# Allegro board REF_WLC_TX15W_C1-MP A11 15W POWER TRANSMITTER REV04.brd (continued)
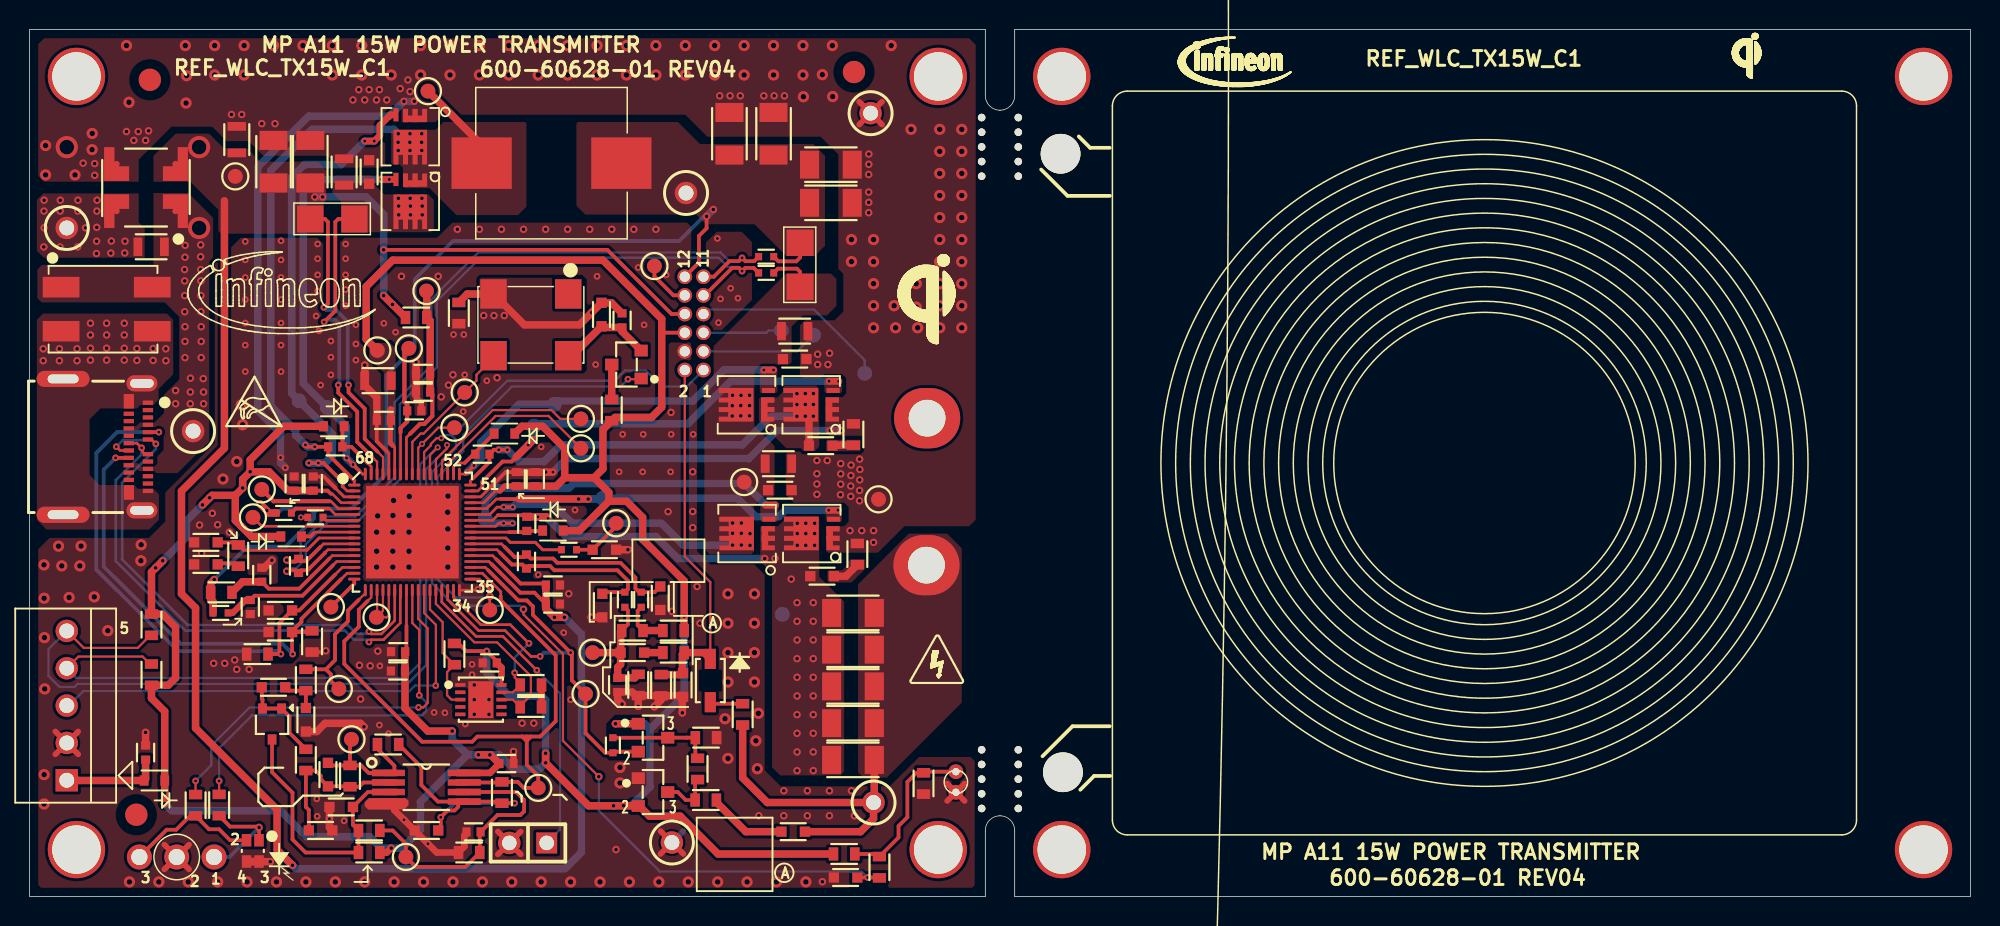
[diagram p0: board, top side]
## Routing (per net, layer and track width the routed paths; a pad name or vN(x,y) marks a point on that pad's centre or on a via; arc(x,y) is an arc through that point)
GND: length 157.7
  TOP w0.18: U3.64 24.44,30.16 24.3,30.3 ; 31.3,27.8 30.7,27.2 U3.49 ; U3.3 21.4,27.2 20.8,27.8 ; v3(30.5,20.9) 30.45,20.85 U3.34
  TOP w0.254: C48.1 23.62,30.98 24.3,30.3 ; R28.1 20.07,16.64 v1(20.15,16.72) ; 31.3,27.8 32.38,28.88 C42.2 ; v4(18.46,25.8) R39.2 ; C43.2 20.02,28.58 20.3,28.3
  TOP w0.28: 20.3,28.3 20.8,27.8
  TOP w0.381: 31.86,4.43 J1.2 ; J1.2 33.41,4.43 ; J1.2 33.41,2.87 ; J1.2 31.86,2.87 ; 42.91,2.9 GND.1 ; GND.1 42.91,4.46 ; GND.1 44.47,2.9 ; 9.18,3.53 LED2.2 ; LED2.2 10.86,1.85 ; LED2.2 10.86,3.53 ; LED2.2 9.18,1.85 ; 62.41,7.69 NT2.1 ; NT2.1 63.59,7.69 ; NT2.1 62.41,6.51 ; NT2.1 63.59,6.51 ; C49.1 26.65,33.61 26.29,33.97 C52.1 ; 1.76,9.68 2.54,10.46 ; 2.54,10.46 3.32,9.68 ; 2.54,10.46 3.32,11.23 ; 2.54,10.46 1.76,11.23 ; 56.42,52.52 GND1.1 ; GND1.1 57.98,52.52 ; GND1.1 56.42,54.08 ; GND1.1 57.98,54.08
  TOP w0.45: C2.2 29.72,4.3 29.58,4.16 29.58,3.4 R4.1 27.7,3 v3(27.1,3.6) C4.2 v3(25.48,5.22) 24.82,5.88 24.82,6.46 ; 32.91,9.88 v1(32.92,9.87) C9.1
  TOP w0.5: v1(22.8,36.16) C53.2 22.8,34.77 23.62,33.95 C48.1
  TOP w0.508: 14.9,2.38 14.91,2.38 v1(16.38,2.38) ; 14.9,2.38 LED1.4 ; 14.9,2.38 LED1.3 ; v3(35.6,28.88) v1(35.1,28.88) C41.2 C42.2 ; v1(22.75,11.55) 22.51,11.79 20.1,11.79 19.54,11.23 C13.1 ; C32.2 15.98,22.38 v1(16.49,22.89) ; v1(44.4,12.5) 44.4,13.55 C16.1 44.4,13.6 44.34,13.66 R20.1 ; v1(26.29,36.34) C54.2 C52.1 ; C10.2 v1(7.9,11.17) ; R20.1 42.95,13.38 v1(42.49,12.92) ; R20.1 42.94,13.68 R22.1 ; C27.2 v1(38.2,19) ; C3.2 20.4,4.7 v3(20.4,5.3) C5.1 ; v1(40.3,13.1) 40,13.4 C15.1 40.98,13.92 41.22,13.68 R22.1 ; R22.1 v1(41.4,12.94) ; C36.2 v1(40.7,23.6)
  BOTTOM w0.381: 56.42,54.08 GND1.1 ; GND1.1 57.98,52.52 ; GND1.1 57.98,54.08 ; GND1.1 56.42,52.52 ; 31.86,4.43 J1.2 ; J1.2 33.41,2.87 ; J1.2 33.41,4.43 ; J1.2 31.86,2.87 ; 2.54,10.46 3.32,9.68 ; 2.54,10.46 1.76,11.23 ; 2.54,10.46 1.76,9.68 ; 2.54,10.46 3.32,11.23 ; 9.18,1.85 LED2.2 ; LED2.2 9.18,3.53 ; LED2.2 10.86,3.53 ; LED2.2 10.86,1.85 ; NT2.1 63.59,7.69 ; NT2.1 62.41,6.51 ; NT2.1 62.41,7.69 ; NT2.1 63.59,6.51 ; 42.91,2.9 GND.1 ; GND.1 42.91,4.46 ; GND.1 44.47,2.9 ; GND.1 44.47,4.46
  BOTTOM w0.508: v1(55.16,31.71) v1(54.46,31.71) 50.83,31.71 48.92,29.8 36.52,29.8 v3(35.6,28.88) v1(35.1,28.88) ; v3(17.4,29.18) 17.08,29.5 v3(17.08,29.87) 17.08,31.52 15.53,33.07 15.53,49.63 19,53.1 24.47,53.1 v1(25.47,54.1) 26.16,54.1 v1(26.17,54.11)
  vias: v1(3.65,49.9) v1(4.44,49.87) v1(4.44,49.07) v1(6.6,52.05) v1(7.1,51.45) v1(7.4,52.05) v1(7.9,51.45) v1(8.1,52.1) v1(11.57,25.28) v1(11.71,23.35) v1(12.44,26.08) v1(12.53,15.87) v1(12.8,25.3) v1(13.28,15.87) v1(13.6,24.8) v1(13.74,53.21) v1(13.96,16.1) v1(14.1,15.46) v1(14.44,53.21) v1(14.94,15.46) v1(15.8,52.59) v1(16.7,52.59) v1(22,54.2) v1(22.4,54.9) v1(22.44,15.74) v1(22.52,13.44) v1(22.8,54.2) v1(23.1,54.9) v1(23.17,15.7) v1(23.6,54.2) v1(23.69,16.7) v1(23.8,54.9) v1(24.3,54.2) v1(25.21,54.97) v1(25.3,42.2) v1(25.74,55.56) v1(25.88,54.77) v1(27.8,42.2) v1(28,34) v1(28.5,34.8) v1(28.8,35.5) v1(29.1,45.4) v1(30.25,14.4) v1(30.25,13.4) v1(30.25,12.4) v1(30.6,45.4) v1(31.25,13.4) v1(31.25,12.4) v1(31.8,35.3) v1(32.1,45.4) v1(33.5,11.8) v1(33.6,45.4) v1(34.3,11.8) v1(35.1,45.4) v1(36.6,45.4) v1(36.68,20.61) v1(38.1,45.4) v1(39.6,45.4) v1(39.89,3.2) v1(41.1,45.4) v1(42.6,45.4) v1(43.43,26.19) v1(43.63,32.94) v1(43.7,19.4) v1(45.1,28.9) v1(45.1,26.2) v1(45.1,25.1) v1(45.4,21.1) v1(45.6,18.6) v1(46.94,54.48) v1(47.64,54.48) v1(48.34,54.48) v1(49.6,5.5) v1(49.94,54.48) v1(50.64,54.48) v1(51.34,54.48) v1(51.3,7.2) v1(51.3,5.5) v1(52.9,7.2) v1(52.9,5.5) v1(53.55,29.67) v1(53.55,28.77) v1(53.55,28.07) v1(53.55,27.37) v1(53.6,36.9) v1(53.6,36.2) v1(53.92,1.01) v1(54.25,29.67) v1(54.3,36.2) v1(54.41,36.97) v1(54.4,7.2) v1(54.4,5.5) v1(55.15,27.34) v1(55.17,29.46) v1(55.17,28.76) v1(55.17,28.06) v1(55.8,24.9) v1(55.87,29.36) v1(55.86,28.65) v1(55.85,27.93) v1(55.85,27.23) v1(55.9,7.2) v1(56.1,5.5) v1(56.45,29.76) v1(56.47,29.06) v1(56.46,28.35) v1(56.45,27.63) v1(56.45,26.93) v1(56.6,24.9) v1(57.08,50.52) v1(57.08,49.82) v1(57.07,49.13) v1(57.07,47.93) v1(57.07,47.23) v1(57.07,46.53) v1(57.4,24.9) v1(57.4,24.1) v2(2.54,50.99) v3(14.68,44.57) v3(14.68,43.32) v3(14.68,42.12) v3(14.68,40.62) v3(14.68,39.02) v3(14.68,37.52) v3(14.68,35.72) v3(17.11,44.62) v3(17.11,43.32) v3(17.11,42.12) v3(17.11,40.62) v3(17.11,39.02) v3(17.11,37.52) v3(17.11,35.72) v3(19.5,39.5) v3(19.54,6.65) v3(19.6,44.4) v3(19.6,43.4) v3(19.6,42.3) v3(19.6,41.2) v3(19.57,5.46) v3(19.7,38.5) v3(19.8,34.8) v3(20.5,37.8) v3(20.5,36.7) v3(20.5,35.5) v3(21.4,5.16) v3(21.5,44.4) v3(21.5,43.4) v3(21.5,42.3) v3(21.5,41.3) v3(21.5,40.2) v3(22.2,38.9) v3(22.2,37.6) v3(22.2,36.5) v3(23.83,15.7) v3(23.8,11.67) v3(24.1,39) v3(24.42,11.09) v3(24.9,38.4) v3(27.52,12.53) v3(28.25,12.51) v3(28.84,38.24) v3(29.54,38.24) v3(29.5,33) v3(29.6,35.5) v3(29.64,11.74) v3(30.1,15.8) v3(30.1,15.1) v3(31.1,35.1) v3(34.6,21.9) v3(34.8,30.6) v3(36.33,17.96) v3(36.8,13.4) v3(37.1,26.3) v3(38.5,36.2) v3(38.6,42.2) v3(40.1,28.9) v3(40.34,31.45) v3(41.4,42.8) v3(41.74,31.45) v3(41.7,28.9) v3(41.8,38.9) v3(43.3,42.3) v3(43.64,31.45) v3(43.6,28.9) v3(45.14,31.45) v3(46.78,44.78) v3(46.86,39.05) v3(46.99,40.66) v3(47.68,41.39) v3(48.18,40.71) v5(0.99,22.57) v5(1,20.3) v5(1.02,17.62) v5(1.04,14.13) v5(1,8.3) v5(1,6.3) v5(1.1,51.1) v5(1.1,49.1) v5(1.98,23.84) v5(2.2,22.5) v5(2.7,20.35) v5(3.1,49.1) v5(3.43,22.5) v5(3.51,23.85) v5(4.27,51.92) v5(4.26,50.82) v5(4.41,20.39) v5(5.33,18.09) v5(6.6,57.9) v5(6.77,54.04) v5(6.8,1) v5(7.6,23.94) v5(7.58,22.85) v5(8.8,1) v5(10.6,57.9) v5(10.69,55.85) v5(10.65,53.99) v5(10.8,1) v5(12.6,57.9) v5(12.6,55.9) v5(12.8,1) v5(13.16,28.41) v5(14.1,29.6) v5(14.41,33.45) v5(14.5,32.1) v5(14.6,57.9) v5(14.6,55.9) v5(14.8,1) v5(16.6,57.9) v5(16.8,1) v5(18.6,57.9) v5(18.8,1) v5(20.6,57.9) v5(20.6,55.9) v5(20.8,1) v5(22.6,57.9) v5(22.6,55.9) v5(22.8,1) v5(23.61,24.8) v5(23.61,23.5) v5(23.61,22.42) v5(23.68,25.9) v5(24.6,57.9) v5(24.6,55.9) v5(24.72,25.93) v5(24.71,24.8) v5(24.71,23.5) v5(24.71,22.42) v5(24.76,26.95) v5(24.8,1) v5(25.83,27.22) v5(25.82,25.93) v5(25.81,24.8) v5(25.81,23.5) v5(25.81,22.42) v5(26.6,57.9) v5(26.6,55.9) v5(26.8,1) v5(28.44,26.15) v5(28.45,25.02) v5(28.45,23.72) v5(28.45,22.42) v5(28.46,27.25) v5(28.6,57.9) v5(28.6,55.9) v5(28.8,1) v5(30.6,57.9) v5(30.6,55.9) v5(30.8,1) v5(32.6,57.9) v5(32.6,55.9) v5(32.8,1) v5(34.6,57.9) v5(34.6,55.9) v5(34.8,1) v5(36.6,57.9) v5(36.6,55.9) v5(36.8,1) v5(38.6,57.9) v5(38.6,55.9) v5(38.8,1) v5(40.16,8.79) v5(40.16,7.73) v5(40.6,57.9) v5(40.6,55.9) v5(40.8,1) v5(42.6,57.9) v5(42.6,55.9) v5(42.8,1) v5(44.6,57.9) v5(44.6,55.9) v5(44.8,1) v5(46.6,57.9) v5(46.6,55.9) v5(46.8,1) v5(47.3,12.1) v5(47.5,20.6) v5(47.5,18.6) v5(47.5,16.6) v5(47.5,14.6) v5(47.5,9.4) v5(48.6,57.9) v5(48.6,55.9) v5(48.8,1) v5(49.3,20.6) v5(49.3,18.6) v5(49.3,16.6) v5(49.3,14.6) v5(49.4,10.6) v5(49.5,8.7) v5(49.57,12.47) v5(50.6,57.9) v5(50.6,55.9) v5(50.8,1) v5(52.6,57.9) v5(52.6,55.9) v5(52.63,54.42) v5(52.8,1) v5(53.92,55.92) v5(54.6,57.9) v5(54.62,54.43) v5(55.9,44.7) v5(55.9,43.2) v5(57.4,44.7) v5(57.4,43.2) v5(57.4,41.7) v5(57.4,40.2) v5(57.4,38.7) v5(58.6,57.9) v5(58.8,40.2) v5(58.9,38.7) v5(59.95,52.2) v5(60.3,41.7) v5(60.3,40.1) v5(60.4,38.7) v5(61.9,52.2) v5(61.9,50.7) v5(61.9,49.2) v5(61.9,47.7) v5(61.9,46.2) v5(61.9,44.7) v5(61.9,43.2) v5(61.9,41.7) v5(61.9,40.2) v5(61.9,38.7) v5(63.4,52.2) v5(63.4,50.7) v5(63.4,49.2) v5(63.4,47.7) v5(63.4,46.2) v5(63.4,44.7) v5(63.4,43.2) v5(63.4,41.7) v5(63.4,40.2) v5(63.4,38.7)
PVIN_0: length 159.7
  TOP w0.152: 23.67,30.27 24.05,29.9 24.05,28.75 U3.65
  TOP w0.18: 31.43,22.62 31.25,22.8 U3.38 ; 31.75,22.95 31.5,23.2 U3.39
  TOP w0.254: 31.75,22.95 33.4,21.3 35.02,21.3 C30.1 ; v3(20.02,40.09) 20.05,40.09 20.3,40.34 20.3,45.9 20.1,46.1 R49.2 ; 44.56,39.63 43.66,39.63 39.3,44 v1(24.09,44) ; v3(21.7,34.8) 21.7,34.3 22.8,33.2 22.8,31.14 23.67,30.27 ; 31.43,22.62 33.37,20.68 34.34,20.68 C28.1
  TOP w0.508: 13.26,47.34 13.26,30.51 10.34,27.59 10.34,20.6 11.3,19.64 11.3,11.46 16.84,5.92 16.84,3.19 v1(17.32,2.71) 17.32,2.7 v1(17.89,2.13) ; v1(36.38,19) v1(35.7,19) 35.12,19.58 C28.1 C30.1 ; R44.2 v1(24.69,40.29) v1(24.09,40.89)
  BOTTOM w0.254: v3(21.7,34.8) 21.64,34.86 21.64,39.12 20.85,39.91 20.2,39.91 v3(20.02,40.09)
  BOTTOM w0.508: v1(35.7,19) v1(36.38,19) 36.4,19 37.54,17.86 37.54,3.02 36.42,1.9 18.12,1.9 v1(17.89,2.13) 17.32,2.7 v1(17.32,2.71) ; v1(24.69,40.29) v1(24.09,40.89) v1(24.09,44) 24.09,46.41 22.9,47.6 v1(19.94,47.6) v1(19.41,47.6)
  vias: v2(11.54,50.99)
VDDD: length 243.5
  TOP w0.18: 25.64,18.44 U3.25 ; 24.7,30.7 24.84,30.56 U3.63 ; 32,27.6 31.7,27.6 30.9,26.8 U3.48 ; U3.4 21.2,26.8 20.6,27.4 20.5,27.4
  TOP w0.254: R26.1 29.18,17.22 29.7,16.7 v3(31.1,16.7) 31.78,16.02 C18.1 ; 25.64,18.44 25.64,16.75 C20.2 ; 44.56,38.37 43.03,38.37 43,38.4 ; 20.5,27.4 20.28,27.62 C43.1 ; U2.10 32.1,15
  TOP w0.34: 24.7,30.7 24.54,30.86 24.54,32.36 C48.2
  TOP w0.381: C42.1 32.32,27.92 32,27.6
  TOP w0.45: R19.1 v1(34.82,13.65) R21.2 ; R3.2 24.3,3 v1(24.6,3.3) ; C9.2 31.32,8.41 U1.8 ; C18.1 32.1,15.58 32.1,15
  TOP w0.5: C48.2 24.58,33.12
  TOP w0.508: v1(39.85,11.76) v1(40.53,11.76) Q2.1 ; 14,27.3 v1(14.5,27.8) 14.5,28.39 v1(15.01,28.9) ; 14,27.3 14,25.6 15.1,24.5 D6.1 ; 14,27.3 12.42,27.3 v1(12.25,27.13) v1(11.77,26.65) ; VDDD.1 22.9,37.92 22.9,41.5 24.7,43.3 39,43.3 43,39.3 43,33.3 42.3,32.6 39.82,32.6 R42.2 39,31.78 39,29.1 38.4,28.5 ; v1(15.01,28.9) 15.01,29.71 17.3,32 D9.1 ; v1(15.01,28.9) 16.3,28.9 17.58,27.62 C44.1 C43.1 ; v1(35.1,9.75) v1(35.1,9.1) 38.02,6.18 v1(39.72,6.18) v1(40.39,6.18) 41.39,6.18 D2.2 41.48,6.16 42.17,5.47 44.26,5.47 46.83,2.9 R2.2 ; v1(30.53,9.65) 31.3,9.65 v1(31.31,9.64) 31.37,9.64 C9.2 ; 36.4,28.5 35.82,27.92 C41.1 C42.1 ; 36.4,28.5 36.4,30.5 34.9,32 33.5,32 D8.1 ; 36.4,28.5 38.4,28.5 ; R30.2 v1(44.52,19.08) 44.52,21.48 41.7,24.3 41.7,25.8 40.6,26.9 39.4,26.9 ; 39.4,26.9 37.4,24.9 D7.1 ; 39.4,26.9 39.4,27.5 38.4,28.5 ; v1(9.07,22.85) v1(8.59,22.36) 8.3,22.08 R31.1 9.05,19.22 9.94,18.33 9.94,14.88 9.44,14.38 8.3,14.38 R23.1 8.3,13.5 9.2,12.6 D1.1 v1(9.2,7.04) 9.2,6.33 v1(9.19,6.32) ; C20.2 25.54,16.65 C19.1 25.54,12.81 27.09,11.26 v1(28.75,11.26)
  BOTTOM w0.508: v1(15.01,28.9) 14.5,28.39 v1(14.5,27.8) ; 29.79,9.65 28.75,10.68 v1(28.75,11.26) ; 29.79,9.65 26.59,6.45 26.59,4.54 25.35,3.3 v1(24.6,3.3) 23.91,3.3 23.13,4.08 18.84,4.08 17.08,5.84 9.67,5.84 v1(9.19,6.32) 9.2,6.33 v1(9.2,7.04) ; 29.79,9.65 v1(30.53,9.65) 30.56,9.65 30.57,9.64 v1(31.31,9.64) 31.96,9.64 32.93,8.67 34.67,8.67 v1(35.1,9.1) v1(35.1,9.75) 35.1,13.37 v1(34.82,13.65) 32.65,13.65 31.1,15.2 v3(31.1,16.7) ; 42.2,11.4 44.52,13.72 v1(44.52,19.08) ; 42.2,11.4 41.84,11.76 v1(40.53,11.76) v1(39.85,11.76) ; 42.2,11.4 42.2,7.46 40.92,6.18 v1(40.39,6.18) v1(39.72,6.18) ; v1(12.25,27.13) v1(11.77,26.65) 10.68,25.56 10.68,24.46 v1(9.07,22.85) v1(8.59,22.36)
ASK_DEMOD: length 46.1
  TOP w0.152: U3.19 23.24,20.35 22.99,20.11
  TOP w0.18: U3.36 30.8,22 32.05,20.75 32.05,20.43
  TOP w0.254: 33.51,10.89 33.82,10.89 ; 33.51,10.89 30.46,10.89 30.11,10.54 26.7,10.54 21.41,15.83 21.41,17.37 22.4,18.36 22.4,19.51 22.99,20.11 ; 33.51,10.89 33.8,10.6 33.82,10.6 ; 33.82,10.89 33.82,10.6 ; 33.82,10.89 34.11,10.89 ; 33.82,10.6 33.82,8.97 34.6,8.19 OPAMP_CMP.1 33.61,7.4 33.21,7.8 R10.1 32.09,7.76 29.16,7.76 ; 33.82,10.6 34.11,10.89 ; 34.11,10.89 34.74,10.89 35.79,11.94 35.79,16.41 32.05,20.15 32.05,20.43
ASK_I_N: length 8.6
  TOP w0.254: R33.2 40.7,19.48 40.7,18.52 R29.1
  TOP w0.508: R29.1 40.2,18.02 C21.2 ; R22.2 41.16,14.88 C15.2 40,15.6 40.2,15.8 C21.2 ; C21.2 V2I_IP.1
ASK_I_P: length 3.2
  TOP w0.254: R34.2 41.36,19.45 41.36,18.46 R29.2
  TOP w0.508: R30.1 R29.2
ASK_OUT: length 9.6
  TOP w0.152: U3.18 22.84,20.64 22.4,20.2
  TOP w0.254: 20.16,15.46 20.5,15.12 20.5,14.67 ASK_OUT.1 ; 20.16,15.46 20.78,16.08 20.78,17.85 21.66,18.73 21.66,19.46 22.4,20.2 ; 20.16,15.46 R24.1
ASK_PEAK: length 25.3
  TOP w0.152: D4.1 46.3,21.4 44.56,23.14 44.56,35.83
  TOP w0.508: R20.2 44.31,15.11 44.4,15.2 C16.2 44.4,15.25 44.4,16.48 R27.2 45.87,16.6 D4.1
ASK_TST: length 3.6
  TOP w0.254: ASK_TST.1 39.9,25.2 C36.1 R38.2
BST1_0: length 4.5
  TOP w0.18: 23,29.5 23.24,29.26 U3.67
  TOP w0.254: D9.2 21.28,31.88 C47.2 21.9,30.6 23,29.5
BST1_1: length 4.3
  TOP w0.18: 29.6,29.5 29.1,29.5 28.84,29.24 U3.53
  TOP w0.254: 29.6,29.5 30.2,30.1 C46.1 30.32,30.22 D8.2
BST2_0: length 3.7
  TOP w0.18: U3.9 19.4,24.8 19.3,24.7
  TOP w0.254: D6.2 19.1,24.5 19.3,24.7
BST2_1: length 5
  TOP w0.18: 32.6,24.8 U3.43
  TOP w0.254: 32.6,24.8 33.74,24.8 C39.2 34.88,24.88 D7.2
CC1_0: length 38.1
  TOP w0.18: 20.79,21.91 21.28,22.4 U3.15
  TOP w0.254: 20.79,21.91 18.35,19.47 C25.1 17.85,19.47 17,18.62 17,16.6 v3(17.1,16.5) R25.2 ; v3(8.8,31.6) J3.A5
  BOTTOM w0.254: v3(8.8,31.6) 5.97,31.6 4.55,30.18 4.55,22.25 10.1,16.7 16.9,16.7 v3(17.1,16.5)
CC2_0: length 32.9
  TOP w0.18: 21.2,21.6 21.6,22 U3.16
  TOP w0.254: 21.2,21.6 18.5,18.9 18.5,18.7 17.86,18.06 C23.1 ; C23.1 17.86,16.54 v3(17.9,16.5) ; C23.1 19.14,18 R28.2 ; J3.B5 v3(5.86,29.85)
  BOTTOM w0.254: v3(17.9,16.5) 17.2,17.2 10.31,17.2 5.05,22.46 5.05,29.04 v3(5.86,29.85)
CLK_IN: length 10.5
  TOP w0.152: U3.60 26.04,30.94 26.6,31.5 26.8,31.5 CLK_IN.1 30.4,35.1 30.4,35.5 31.56,36.66 Y1.3
COIL_SNS: length 22.2
  TOP w0.508: C8.1 57.45,6.45 COIL_SNS.1 ; COIL_SNS.1 57.4,5.3 56.52,4.42 C6.2 ; COIL_SNS.1 50.18,6.4 48.5,8.08 R18.1
COMP_0: length 9.9
  TOP w0.18: 19.7,24.4 U3.10
  TOP w0.203: 19.7,24.4 18.87,23.57 14.56,23.57 R37.1
  TOP w0.254: R37.1 14.02,24.1 C37.1
CSNO_0: length 56.6
  TOP w0.18: 20.11,23.41 20.3,23.6 U3.12
  TOP w0.254: 20.11,23.41 20.11,23.39 18.92,22.2 18.48,22.2 C33.2 18.12,22.2 17.56,22.2 v1(17.5,22.14) ; R46.1 49.25,42.77 48.68,42.77 v3(48.46,42.56) 48.24,42.78 47.79,42.78 45.92,40.91 J4.9
  BOTTOM w0.152: v1(17.5,22.14) 17.71,22.34 18.14,22.34 18.8,23 18.8,23.97 20.33,25.5 22.31,25.5 25.19,28.38 25.19,33.49 27.7,36 27.7,40.5 30.67,43.47 46.85,43.47 47.49,42.83 48.18,42.83 v3(48.46,42.56)
CSPO_0: length 56.1
  TOP w0.18: 19.8,23.8 20,24 U3.11
  TOP w0.254: 19.8,23.8 18.82,22.82 18.46,22.82 C33.1 18.12,22.8 17.6,22.8 v1(17.5,22.9) ; R48.1 49.28,43.23 48.69,43.23 v3(48.46,43.46) 48.24,43.23 47.6,43.23 46.54,42.17 J4.11
  BOTTOM w0.152: v3(48.46,43.46) 48.2,43.19 47.64,43.19 47,43.83 30.52,43.83 27.34,40.65 27.34,36.15 24.83,33.63 24.83,28.53 22.16,25.86 20.18,25.86 18.44,24.12 18.44,23.14 18,22.7 17.7,22.7 v1(17.5,22.9)
CTRL_1: length 31.3
  TOP w0.152: v3(40.7,35.2) 41.55,35.2 Q1.1
  TOP w0.18: TP1.1 31.3,20.42 v1(31.31,20.43) 31.3,20.44 31.3,20.9 30.6,21.6 U3.35
  BOTTOM w0.152: v1(31.31,20.43) 31.22,20.34 29.01,20.34 27.75,21.6 27.75,28.55 29.5,30.3 29.5,31.4 32.8,34.7 40.2,34.7 v3(40.7,35.2)
D+_0: length 36.6
  TOP w0.178: v3(8.6,30.8) 8.3,31.1 J3.A6 ; J3.B6 6.17,30.35 v3(5.91,30.61) ; v3(23.09,18.03) 23.25,17.87 23.93,17.87 24.84,18.78 24.84,20.51 24.85,20.52 24.85,20.84 U3.23
  BOTTOM w0.178: v3(5.91,30.61) 6.36,31.06 8.34,31.06 v3(8.6,30.8) 8.6,30.45 6.3,28.15 6.3,22.94 10.76,18.48 21.64,18.48 22.24,17.88 22.94,17.88 v3(23.09,18.03)
D-_0: length 34.6
  TOP w0.178: J3.A7 7.86,30.1 7.7,30.26 7.7,30.46 v3(7.63,30.53) 7.31,30.85 J3.B7 ; U3.24 25.23,20.84 25.23,20.36 25.22,20.35 25.22,18.62 24.08,17.48 23.25,17.48 v3(23.09,17.32)
  BOTTOM w0.178: v3(7.63,30.53) 7.63,30.09 5.88,28.34 5.88,22.82 10.6,18.1 21.45,18.1 22.07,17.48 22.93,17.48 v3(23.09,17.32)
HG1_0: length 29.1
  TOP w0.18: U3.68 22.65,28.75 22.45,28.95
  TOP w0.254: 22.45,28.95 v4(22,29.39) v4(21.57,29.84) ; 24.8,48.79 M11.4
  TOP w0.45: v3(23.92,48.79) v3(24.47,48.79) 24.8,48.79
  BOTTOM w0.508: v4(22,29.39) v4(21.57,29.84) 21.55,29.85 21.55,31.98 HG1_0.1 18.63,34.9 18.63,48.28 19.14,48.79 v3(23.92,48.79) v3(24.47,48.79)
HG1_1: length 26.2
  TOP w0.18: 29.65,28.75 U3.52
  TOP w0.254: v4(30.23,29.33) v4(29.79,28.89) 29.65,28.75
  TOP w0.45: v3(50.6,35.83) v3(49.94,35.83)
  BOTTOM w0.508: v4(29.79,28.89) v4(30.23,29.33) 30.7,29.8 30.7,30.9 33.3,33.5 HG1_1.1 35.92,33.72 45.12,33.72 47.23,35.83 v3(49.94,35.83) v3(50.6,35.83)
HG2_0: length 7.1
  TOP w0.18: U3.8 15.8,25.2 HG2_0.1
HG2_1: length 27.6
  TOP w0.18: 32,25.4 31.9,25.4 31.7,25.2 U3.44
  TOP w0.254: 32,25.4 v4(32.24,25.4) v4(32.85,25.4)
  TOP w0.45: v3(50.71,26.64) 50.09,26.64 v3(50.07,26.65)
  BOTTOM w0.508: v4(32.85,25.4) v4(32.24,25.4) 31.3,25.4 HG2_1.1 31,26.9 31.9,27.8 36.7,27.8 37,28.1 48.62,28.1 v3(50.07,26.65) 50.09,26.64 v3(50.71,26.64)
HPI_I2C_SCL: length 48.2
  TOP w0.152: J2.4 3.33,16.33 7.7,16.33 8.21,15.82 R23.2 ; U3.57 27.24,30.04 v4(27.76,30.56)
  BOTTOM w0.152: J2.4 3.2,14.88 25.55,14.88 26.57,15.9 26.57,29.42 27.72,30.56 v4(27.76,30.56)
HPI_I2C_SDA: length 54.6
  TOP w0.152: U3.56 27.64,29.74 27.7,29.8 27.7,29.81 28.4,30.5 v4(28.4,30.72) ; R31.2 8.22,17.78 7.36,16.92 3.69,16.92 J2.5
  BOTTOM w0.152: v4(28.4,30.72) 28.4,30.5 26.97,29.07 26.97,15.73 25.71,14.47 3.27,14.47 3.06,14.27 2.06,14.27 1.3,15.02 1.3,16.84 J2.5
IIN_CSN_0: length 21.1
  TOP w0.152: 23.31,29.91 23.64,29.59 U3.66
  TOP w0.254: R49.1 21,46.1 20.8,45.9 20.8,39.85 v3(20.04,39.1) ; v3(21,34.8) 21,34.28 22.29,32.99 22.29,30.93 23.31,29.91
  BOTTOM w0.254: v3(20.04,39.1) 20.2,39.25 20.77,39.25 21.08,38.94 21.08,34.88 v3(21,34.8)
  vias: v1(25.09,47.51) v1(25.11,46.98) v1(25.11,46.38) v1(25.89,47.51) v1(25.91,46.98) v1(25.91,46.38) v1(26.69,47.51) v1(26.71,46.98) v1(26.71,46.38)
IOUT_CSN_0: length 22.9
  TOP w0.18: v4(32.25,26.5) 31.8,26.5 31.3,26 U3.46
  TOP w0.254: R47.2 52.4,42.51 52.19,42.72 50.9,42.72 R46.2 ; v4(32.86,26.5) v4(32.25,26.5)
  BOTTOM w0.508: v4(32.25,26.5) v4(32.86,26.5) 33.06,26.7 35.6,26.7 36.9,25.4 42.97,25.4 44.46,23.92 v1(47.81,23.92)
  vias: v1(47.81,34.11) v1(47.79,33.4) v1(47.79,32.7) v1(47.81,25.42) v1(47.81,24.72) v1(48.39,34.1) v1(48.37,33.41) v1(48.37,32.71) v1(48.41,25.42) v1(48.41,24.72) v1(48.41,23.92) v1(48.97,34.11) v1(48.97,33.41) v1(48.97,32.71) v1(49,24.7) v1(49,23.9)
IOUT_CSP_0: length 67.8
  TOP w0.254: R47.1 52.4,43.47 52.15,43.22 50.93,43.22 R48.2 ; 44.56,42.17 45.53,43.14 45.53,44.95 46.05,45.47 v1(46.05,46.28)
  TOP w0.508: v1(15.67,26.73) v1(16.14,26.27) 16.3,26.1 R40.2 ; v1(12.57,21.57) 12.33,21.33 R35.1 12.33,20.22 12.49,20.06 R32.1
  BOTTOM w0.254: 19.61,26.4 21.9,26.4 24.27,28.77 24.27,35.47 26.2,37.4 26.2,42 28.8,44.6 44.18,44.6 45.86,46.28 v1(46.05,46.28) ; 19.61,26.4 19.34,26.13 ; 19.61,26.4 19.34,26.4 ; 19.34,26.13 19.34,25.72 17.43,23.81 14.81,23.81 v1(12.57,21.57) ; 19.34,26.13 19.34,26.4 ; 19.34,26.13 19.33,26.13 19.06,26.4 ; 19.06,26.4 19.34,26.4 ; 19.06,26.4 17.2,26.4 16.9,26.1 16.3,26.1 v1(16.14,26.27) v1(15.67,26.73)
  BOTTOM w0.508: v1(46.05,46.28) 46.05,46.29 v1(46.5,46.75)
LED1: length 26.9
  TOP w0.152: U3.26 26.04,18.61 26.51,18.14 v3(26.51,13.69) ; R7.2 v3(12.9,7.87)
  BOTTOM w0.152: v3(26.51,13.69) 26.98,13.22 26.98,12.62 26.69,12.33 15.13,12.33 12.9,10.1 v3(12.9,7.87)
LED2: length 27.6
  TOP w0.152: U3.27 26.44,18.89 27.08,18.25 27.08,13.17 26.78,12.87 v3(26.46,12.87) ; R6.1 v3(11.3,7.87)
  BOTTOM w0.152: v3(26.46,12.87) 14.97,12.87 12.37,10.27 12.37,8.94 v3(11.3,7.87)
LG1_0: length 35.9
  TOP w0.18: 21.3,27.9 21.6,27.6 U3.2
  TOP w0.254: 21.3,27.9 21.3,28.2 20,29.5 v3(19.65,29.5) v3(19,29.5) ; 24.79,53.19 M12.4
  TOP w0.45: v3(22.8,51.4) v3(23.45,51.4) 23.83,51.78 23.83,52.47 24.55,53.19 24.79,53.19
  BOTTOM w0.508: v3(23.45,51.4) v3(22.8,51.4) 21.2,49.8 18.7,49.8 17.83,48.93 17.83,34.24 LG1_0.1 20.6,31.47 20.6,30 20.1,29.5 v3(19.65,29.5) v3(19,29.5)
LG1_1: length 30
  TOP w0.18: 30.8,27.9 30.5,27.6 U3.50
  TOP w0.254: 30.8,27.9 30.8,28.23 32.17,29.6 32.8,29.6 33.1,29.9
  TOP w0.45: v3(55.03,35.06) v3(54.37,35.06)
  TOP w0.508: 33.1,29.9 v3(33.92,30.73) v3(34.28,31.08)
  BOTTOM w0.508: v3(55.03,35.06) v3(54.37,35.06) 47.67,35.06 44.78,32.17 34.47,32.17 LG1_1.1 34.3,31.1 v3(34.28,31.08) v3(33.92,30.73)
LG2_0: length 6.8
  TOP w0.18: U3.5 21,26.4 20.5,26.9 20.4,26.9
  TOP w0.28: LG2_0.1 16.6,26.9 20.4,26.9
LG2_1: length 27.3
  TOP w0.18: 32.04,27.05 31.75,27.05 31.1,26.4 U3.47
  TOP w0.254: 33.3,27.05 32.04,27.05
  TOP w0.45: v3(54.35,26.29) v3(54.98,26.29)
  TOP w0.508: 33.3,27.05 v1(37.35,27.05) v1(38,27.05)
  BOTTOM w0.508: v3(54.98,26.29) v3(54.35,26.29) 51.4,26.29 50.96,25.85 49.39,25.85 48.14,27.1 LG2_1.1 38.95,27.05 v1(38,27.05) v1(37.35,27.05)
OPTIGA_I2C_INT: length 11.8
  TOP w0.152: U2.9 32.88,13.9 R21.1 33.38,14.54 33,14.92 v3(33,15.23)
  TOP w0.18: v3(33.97,17.23) 32.7,18.5 30.7,18.5 28.84,20.36 U3.33
  BOTTOM w0.152: v3(33,15.23) 33,16.26 v3(33.97,17.23)
OPTIGA_I2C_SCL: length 13.3
  TOP w0.152: U3.30 27.64,19.92 30.26,17.3 31.8,17.3 34.1,15 34.1,13.7 33.38,12.98 R19.2 32.88,13.4 U2.8
OPTIGA_I2C_SDA: length 9.1
  TOP w0.152: U2.3 28.7,13.4 28.4,13.7 28.4,15.28 R26.2 28.1,16.58 28.1,18.67 27.24,19.53 U3.29
P3.3: length 26.9
  TOP w0.152: U3.59 26.44,30.54 v4(26.7,30.8) 27.8,31.9 P3.3.1
  BOTTOM w0.152: v4(26.7,30.8) 27.8,31.9 29.3,31.9 32.5,35.1 39.8,35.1 40.5,35.8 41.9,35.8 43,34.7 44.71,34.7 J4.1
PWR_XTAL: length 6.6
  TOP w0.508: Q1.2 40.3,38.45 C56.2 38.98,38.72 C57.2 36.9,36.8 Y1.4
Q_COMP: length 30.3
  TOP w0.18: 31.2,22.2 31,22.4 U3.37 ; U3.32 28.44,20.2 30.54,18.1 32.34,18.1 34.1,16.34 v3(34.73,16.34)
  TOP w0.254: 31.2,22.2 33.25,20.15 33.83,20.15 34.24,19.74 34.24,19.16 v3(36.8,16.6) 36.89,16.51 36.89,14.72 Q_COMP.1 37.82,11.12 39.16,9.78 R52.2 39.75,9.86 Q2.2
  BOTTOM w0.254: v3(34.73,16.34) 34.99,16.6 v3(36.8,16.6)
SW1_0: length 41.6
  TOP w0.18: 22.09,28.31 U3.1
  TOP w0.254: v3(18.77,30.73) 18.9,30.6 v3(19.4,30.6) C47.1 20.32,30.08 22.09,28.31
  TOP w0.508: L2.1 30.75,51.15 SW1_0.1
  BOTTOM w0.508: v1(25.08,51.9) 24.78,52.2 19.21,52.2 16.41,49.4 16.41,33.39 18.1,31.7 18.1,31.4 v3(18.77,30.73) 18.9,30.6 v3(19.4,30.6)
  vias: v1(25.07,51.32) v1(25.08,50.76) v1(25.88,51.9) v1(25.87,51.32) v1(25.88,50.76) v1(26.68,51.9) v1(26.67,51.32) v1(26.68,50.76)
SW1_1: length 41.4
  TOP w0.18: 30.16,28.45 29.99,28.28 U3.51
  TOP w0.254: 30.16,28.45 31.28,29.57 C46.2 31.58,30.4 v3(31.91,30.4) v3(32.5,30.4)
  TOP w0.508: C50.2 53.01,32.44 v1(52.76,32.69)
  BOTTOM w0.152: J4.7 46.14,39.94 53.35,39.94 56.8,36.49 SW1_1.1
  BOTTOM w0.508: v3(31.91,30.4) v3(32.5,30.4) 33.3,29.6 35,29.6 36.13,30.73 48.48,30.73 50.43,32.68 v1(52.19,32.68)
  vias: v1(52.19,34.22) v1(52.19,33.48) v1(52.76,34.23) v1(52.76,33.49) v1(53.31,34.23) v1(53.31,33.49) v1(53.31,32.69)
SW2_1: length 22.1
  TOP w0.18: 31.85,25.95 31.5,25.6 29.99,25.6 U3.45
  TOP w0.254: C39.1 33.71,25.95 31.85,25.95
  TOP w0.508: C39.1 v3(34.57,25.84) 35.14,25.84 v3(35.27,25.72)
  BOTTOM w0.508: v3(34.57,25.84) 35.14,25.84 v3(35.27,25.72) 36.48,24.5 42.6,24.5 44.1,23 v1(50,23)
  vias: v1(50.7,23) v1(51.8,21.6) v1(52.22,25.4) v1(52.22,24.7) v1(52.22,23.9) v1(52.2,20) v1(52.2,18.73) v1(52.2,17.46) v1(52.2,16.19) v1(52.2,14.92) v1(52.2,13.65) v1(52.2,12.38) v1(52.2,11.11) v1(52.2,9.84) v1(52.2,8.57) v1(52.8,25.4) v1(52.8,24.7) v1(52.8,23.9) v1(53.3,20) v1(53.3,18.73) v1(53.3,17.46) v1(53.3,16.19) v1(53.3,14.92) v1(53.3,13.65) v1(53.3,12.38) v1(53.3,11.11) v1(53.3,9.84) v1(53.3,8.57) v1(53.4,25.4) v1(53.4,24.7) v1(53.4,23.9)
TEMP_FB1: length 59.2
  TOP w0.152: v4(28.01,31.19) 27.69,31.19 27.3,30.8 27.3,30.7 26.84,30.24 U3.58 ; v1(33.6,19.55) 33.6,19.19 36.28,16.51 36.28,10.6 v1(38.72,8.16)
  TOP w0.254: C1.2 v3(57,1.3) 57.78,1.3 R1.1
  BOTTOM w0.152: v3(57,1.3) 56.6,1.7 42.87,1.7 38.72,5.85 v1(38.72,8.16) ; v1(33.6,19.55) 33.36,19.79 28.91,19.79 27.37,21.33 27.37,28.87 29,30.5 29,31.1 28.7,31.4 28.22,31.4 v4(28.01,31.19)
UART_TX: length 22
  TOP w0.18: v3(34.5,15.4) 32.2,17.7 30.38,17.7 28.04,20.04 U3.31
  BOTTOM w0.152: v3(34.5,15.4) 36.08,13.82 36.08,4.56 J1.1
USB-GND:
  vias: v1(0.94,37.27) v1(0.94,36.46) v1(1,47.38) v1(0.99,46.64) v1(1,45.5) v1(0.98,44.2) v1(2.04,37.27) v1(2.04,36.46) v1(2.1,47.38) v1(2.09,46.64) v1(2.08,44.2) v1(3.24,37.27) v1(3.24,36.46) v1(3.3,47.38) v1(3.29,46.64) v1(3.28,44.2) v1(3.82,45.5) v1(4.15,39.01) v1(4.15,38.21) v1(4.15,37.31) v1(4.15,36.5) v1(4.6,47.38) v1(4.59,46.64) v1(4.58,45.53) v1(4.57,44.59) v1(4.56,43.75) v1(5.25,39.01) v1(5.25,38.21) v1(5.25,37.31) v1(5.25,36.5) v1(5.54,43.78) v1(5.57,44.6) v1(6.5,44.59) v1(6.48,43.79) v1(6.45,39.01) v1(6.45,38.21) v1(6.45,37.31) v1(6.45,36.5) v1(7.31,37.29) v1(7.31,36.48) v1(8.41,37.29) v1(8.41,36.48) v1(9.28,37.27) v1(9.28,36.46)
USB-IN:
  vias: v1(9.94,34.43) v1(9.94,33.53) v1(10.59,44.31) v1(10.58,43.5) v1(10.55,42.66) v1(10.56,41.89) v1(10.56,40.89) v1(10.56,39.79) v1(10.58,38.77) v1(10.58,37.77) v1(10.58,36.67) v1(10.95,35.27) v1(10.94,34.33) v1(10.94,33.53) v1(11.64,43.53) v1(11.65,44.34) v1(11.65,42.66) v1(11.66,41.89) v1(11.66,40.89) v1(11.66,39.79) v1(11.68,38.77) v1(11.68,37.77) v1(11.68,36.67) v1(11.82,35.24) v1(11.84,34.33) v1(11.84,33.53) v2(11.54,45.49)
VTARG: length 6.7
  TOP w0.508: C10.1 7.9,8 D1.2 3.28,7.9 3.26,7.92 2.54,7.92
XGND: length 13.1
  TOP w0.508: C56.1 39.58,40.4 C57.1 v1(38.23,39.73) 37.4,38.9 33.66,38.9 Y1.2 29.78,41 R45.1
  vias: v1(30.89,39.53) v1(31.59,39.53) v1(32.29,39.53)
XRES: length 32.5
  TOP w0.152: U3.28 26.84,19.29 27.64,18.49 27.64,14.37 v3(27.63,14.36)
  BOTTOM w0.152: J2.3 2.67,12.99 3.66,13.98 25.84,13.98 26.22,14.36 v3(27.63,14.36)
N17266296: length 2.7
  TOP w0.254: C17.2 17.62,14.02 R24.2 C13.2
N17266302: length 6.2
  TOP w0.254: R14.2 17.69,11.13 17.69,12.25 D3.1 D3.2 15.85,13.41 15.8,13.46 C17.1
N17266408: length 13.5
  TOP w0.18: U3.61 25.64,31.24 25.88,31.48
  TOP w0.28: C52.2 27.4,34.17 27.4,32.7 26.85,32.15 26.55,32.15 25.88,31.48
  TOP w0.508: VIN.1 27.02,41.18 R44.1 27.25,39.17 C54.1 C52.2
N17266412: length 18.5
  TOP w0.254: 29.16,6.46 27.77,6.46 26.65,7.59 26.65,8.81 R15.1 ; 29.16,6.46 29.16,6.11 28.91,5.86 28.43,5.86 v3(27.97,5.4) 27.97,4.67 C4.1 ; 29.16,6.46 32.02,6.46 R10.2 v3(32.99,6.36)
  BOTTOM w0.254: v3(27.97,5.4) 28.93,6.36 v3(32.99,6.36)
N17266446: length 9
  TOP w0.254: OPAMP_GAIN.1 21.8,10.6 R11.1 ; C7.2 20.48,8.92 R11.1 ; R15.2 23.67,10.05 24.82,8.9 U1.1 24.81,8.41 23.07,8.41 22.56,8.92 R11.1
N17266499: length 10.9
  TOP w0.254: 24.82,7.76 22.71,7.76 22.43,7.48 R11.2 21.78,7.5 C7.1 19.81,7.99 19.81,8.22 19.45,8.58 R14.1 18.8,6.1 19,5.9 C3.1
N17266517: length 18.7
  TOP w0.254: U1.3 23.02,7.12 C5.2 22,4.88 R5.2 R3.1 18.78,3 17.89,3.89 17.89,7.07 16.5,8.46 D3.3
N17266525: length 8.9
  TOP w0.18: 25.24,31.6 U3.62
  TOP w0.28: C49.2 25.69,32.32 25.24,31.87 25.24,31.6
  TOP w0.3: C49.2 25.69,33.47 25.5,33.66 25.5,37 VCCD.1
N17266710: length 11.2
  TOP w0.254: R2.1 57.62,2.9 R1.2 59.1,4.02 59.1,4.8 59.7,5.4 59.7,7.8 60.32,8.42 NT1.2 60.88,8.5 NT2.2
N17266728: length 19.2
  TOP w0.254: R5.1 24.7,4.5 25.6,3.6 CMP_REF.1 26.28,2.02 29.64,2.02 R4.2 30.62,4.34 C2.1 31.83,5.55 33.39,5.55 33.64,5.8 33.64,6.57 33.09,7.12 U1.6
N17266899: length 12
  TOP w0.152: TP3.1 35.3,32.7 31.7,32.7 28.44,29.44 U3.54
N17266990: length 12
  TOP w0.152: U3.55 28.06,28.77 28.06,29.66 31.5,33.1 35.5,33.1 36.1,32.5 TP4.1
N17267333: length 4.6
  TOP w0.18: 20.32,26.4 20.4,26.4 20.8,26 U3.6
  TOP w0.254: R40.1 18.11,26.4 20.32,26.4
N17267373: length 2.2
  TOP w0.18: R39.1 20.16,25.6 U3.7
N17267382: length 6.5
  TOP w0.18: 32.6,24.2 32.4,24.4 U3.42
  TOP w0.203: 32.6,24.2 32.7,24.1 34.4,24.1 34.9,23.6 R38.1
N17267481: length 15
  TOP w0.18: U3.41 32.1,24 32.3,23.8
  TOP w0.254: 32.3,23.8 33,23.1 33.62,23.1 C35.1 34.08,23 35.61,23 35.9,22.71 40.2,22.71 41.21,21.7 41.21,20.97 41.46,20.71 R34.1 42.51,20.71 C29.1
N17267522: length 14.2
  TOP w0.18: U3.40 31.8,23.6 32,23.4
  TOP w0.254: 32,23.4 32.81,22.59 33.53,22.59 C35.2 33.97,22.49 35.4,22.49 35.69,22.2 39.99,22.2 40.7,21.49 40.7,20.92 R33.1 39.07,20.71 C27.1
N17267544: length 9.7
  TOP w0.18: 20.4,23 20.6,23.2 U3.13
  TOP w0.254: C32.1 16.27,20.95 18.35,20.95 20.4,23
  TOP w0.508: R35.2 14.49,21.42 C32.1
N17267694: length 2.6
  TOP w0.18: 22.09,21.5 U3.17
  TOP w0.254: TP2.1 22.09,21.29 22.09,21.5
N17267821: length 2.2
  TOP w0.254: R18.2 46.4,13.12 D4.2
N17267826: length 5.4
  TOP w0.508: C6.1 48.72,4.42 46.71,6.42 R12.1
N17267838: length 10
  TOP w0.18: 20.65,22.55 20.9,22.8 U3.14
  TOP w0.254: 20.65,22.55 18.57,20.47 15.31,20.47 C26.1
  TOP w0.42: C26.1 14.7,20.18 13.82,19.3 R32.2
N17268032: length 7.1
  TOP w0.203: 43.4,10.81 Q2.3
  TOP w0.254: R52.1 43.4,10.81 ; Q2.3 44.69,10.81 44.69,10.81 R17.2 45.28,9.56 R53.2
N17268063: length 6.4
  TOP w0.152: 23.64,19.04 PWM_OUT.1 24.3,19 24.44,19.14 U3.22 ; 23.64,19.04 U3.20 ; 23.64,19.04 24.04,19.44 U3.21
N17268447: length 9.1
  TOP w0.254: LED1.2 13.64,3.83 12.9,4.58 12.22,4.58 R6.2 10.93,5.5 9.98,4.55 9.33,4.55 LED2.3
N17268530: length 7.8
  TOP w0.254: R7.1 13.64,4.76 15.56,4.76 v1(15.62,4.71) LED1.1
  BOTTOM w0.254: LED2.1 13.6,2.69 v1(15.62,4.71)
N17271522: length 2.4
  TOP w0.508: R42.1 Q1.3
N17272069: length 7.9
  BOTTOM w0.152: TP7.1 52.22,37.09 J4.3
N17272080: length 5.4
  BOTTOM w0.152: J4.5 50.12,38.37 50.27,38.52 TP8.1
N17272097: length 3.3
  TOP w0.254: TP6.1 42.5,42.2 43.8,40.91 44.56,40.91
N17336659: length 1.4
  TOP w0.508: R41.2 55.19,30.72 55.18,30.71 54.64,30.71 C50.1
N17350742: length 1.5
  TOP w0.254: R37.2 14,22.68 12.88,22.68 C34.1
N17474976: length 1.9
  TOP w0.508: C31.1 55.52,21.8 R36.2
N17493111: length 3.6
  TOP w0.254: R53.1 45.27,7.79 R12.2 44.63,6.57 44.09,7.11 D2.3
N172677570: length 1.3
  TOP w0.508: R27.1 C21.1

## Copper pours and planes (outline as drawn; the poured copper is in the pictures)
GND on TOP (solid shape): 25.77,6.52 25.77,6.2 25.49,5.92 23.04,5.92 22.8,6.16 22.8,6.43 23.07,6.7 25.59,6.7
